# Altium PCB Benchtest_PCB.PcbDoc (part 3 of 3)
Units mil, origin at the board's own origin, x right, y up, seen from the top; angles counter-clockwise.
Board outline 6000 x 3920 mil, 4 copper layers (Top Layer, Power Plane, Ground Plane, Bottom Layer), stack 30.634 mil thick; 232 components, 162 nets, 1268 pads, 324 vias.
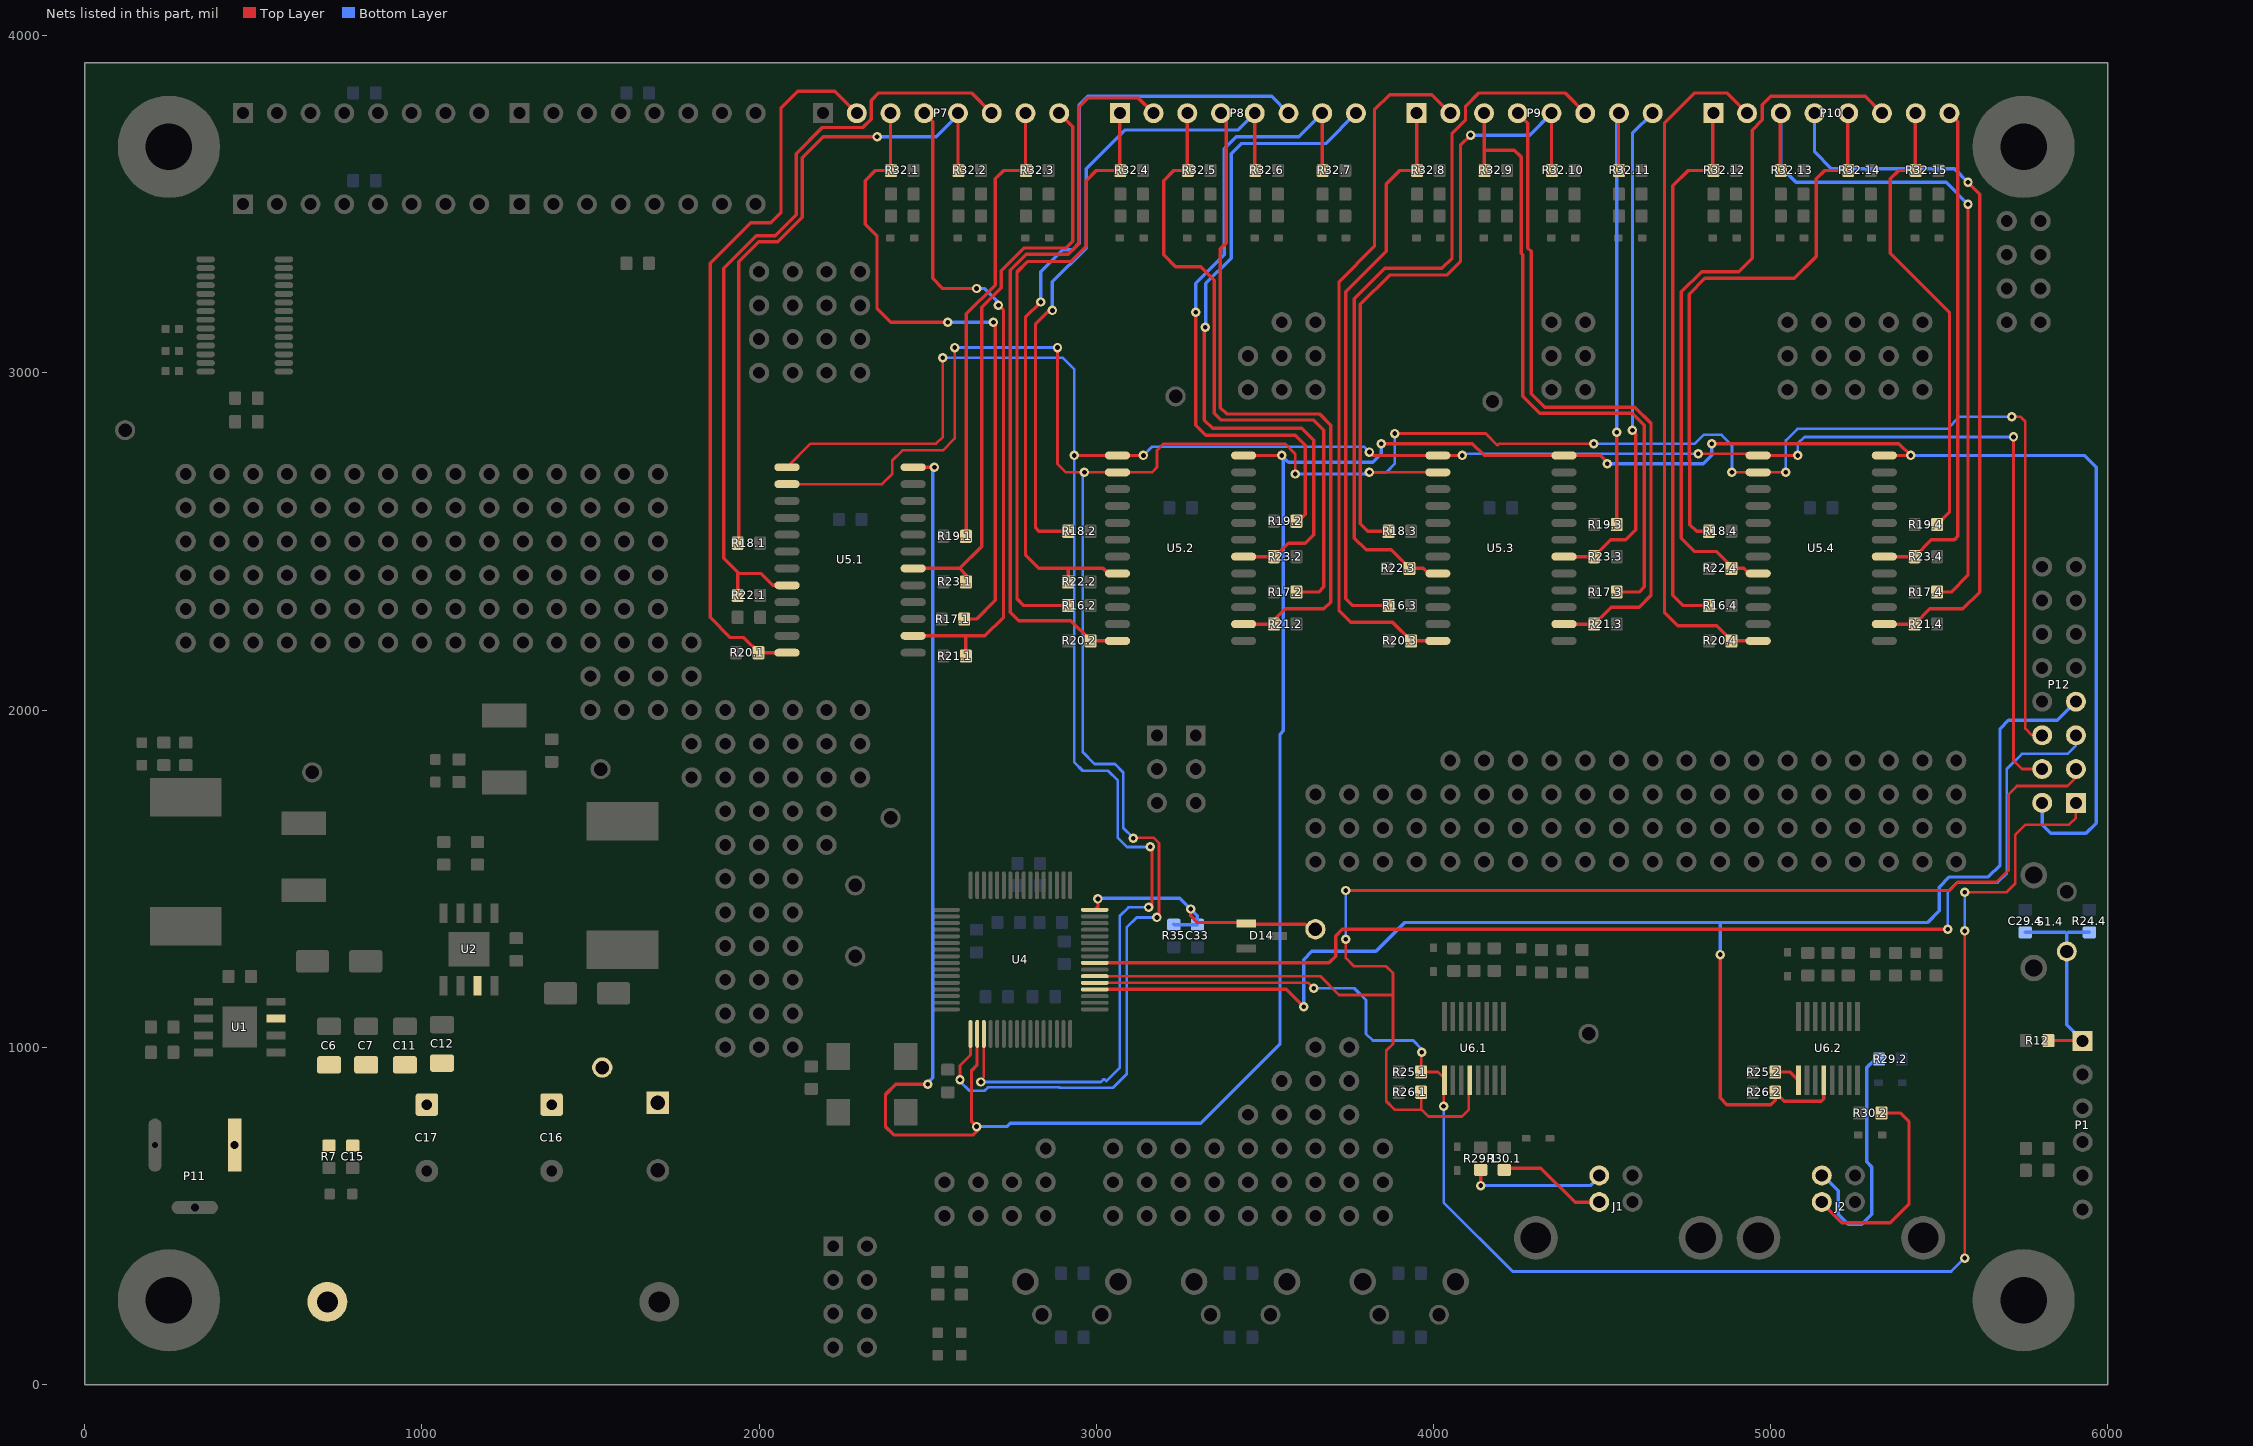
[diagram p5: the nets of this part, all layers, seen from the top]

## Via types
v1: diameter 28, hole 14, Top Layer to Bottom Layer, 324 vias

## Nets (pads, with @x,y where several pads share a name; then routed paths per layer and width w, separated by ;. In a path a pad name is that pad's centre, name@x,y a point inside that pad or via, vN(x,y) a via of type N, cw(c..) or ccw(c..) an arc to the next point about the centre after c; other vN are vias at no path point) (continued)
POTA2: P7.3 R17.1.1 R32.1.2 | length 1949.9
  Top Layer w10: P7.3@2390,3770 2390,3600 2345,3600 2315,3570 2315,3440 2350,3405 2350,3190 2390,3150 v1(2560,3150) ; R17.1.1@2613.46,2270 2645,2270 2700,2325 2700,3145 v1(2695,3150)
  Bottom Layer w10: v1(2560,3150) v1(2695,3150)
POTA3: P7.5 R18.1.1 R32.2.2 | length 1951.4
  Top Layer w10: R18.1.1@1936.54,2495 1940,2498.46 1940,3329.54 1999.46,3389 2055.37,3389 2128,3461.63 2128,3637.47 2190.53,3700 v1(2350,3700) ; R32.2.2@2590,3595 P7.5@2590,3770
  Bottom Layer w10: v1(2350,3700) 2525,3700 P7.5@2595,3770
POTA4: P7.7 R19.1.1 R32.3.2 | length 1366.2
  Top Layer w10: R19.1.1@2613.46,2515 2615,2516.54 2615,3175 2700,3260 2700,3575 2725,3600 2790,3600 P7.7@2790,3770
POTA5: P8.1 R16.2.1 R32.4.2 | length 1842.7
  Top Layer w10: R16.2.1@2916.54,2310 2785,2310 2765,2330 2765,3299 2796,3330 2925,3330 2970,3375 2970,3570 3000,3600 3070,3600 P8.1@3070,3770
POTA6: P8.3 R17.2.1 R32.5.2 | length 1947
  Top Layer w10: P8.3@3270,3770 3270,3600 3230,3600 3200,3570 3200,3350 3235,3315 3310,3315 3350,3275 3350,2880 3370,2860 3645,2860 3675,2830 3675,2365 3660,2350 R17.2.1@3593.46,2350
POTA7: P8.5 R18.2.1 R32.6.2 | length 1977
  Top Layer w10: v1(2870,3185) 2860,3185 2820,3145 2820,2540 2830,2530 R18.2.1@2916.54,2530 ; R32.6.2@3470,3595 P8.5@3470,3770
  Bottom Layer w10: v1(2870,3185) 2870,3270 2970,3370 2970,3605 3085,3720 3420,3720 P8.5@3470,3770
POTA8: P8.7 R19.2.1 R32.7.2 | length 1959.5
  Top Layer w10: v1(3295,3180) 3295,2845 3325,2815 3590,2815 3620,2785 3620,2580 3593.46,2553.46 R19.2.1@3593.46,2550 ; R32.7.2@3670,3595 P8.7@3670,3770
  Bottom Layer w10: v1(3295,3180) 3295,3265 3380,3350 3380,3665 3415,3700 3600,3700 P8.7@3670,3770
POTA9: P9.1 R16.3.1 R32.8.2 | length 1691.1
  Top Layer w10: R16.3.1@3866.54,2310 3760,2310 3740,2330 3740,3240 3860,3360 3860,3560 3900,3600 3950,3600 P9.1@3950,3770
POTA10: P9.3 R17.3.1 R32.9.2 | length 1968.3
  Top Layer w10: R32.9.2@4150,3595 4150,3660 ; P9.3@4150,3770 4150,3660 ; R17.3.1@4543.46,2350 4610,2350 4625,2365 4625,2845 4590,2880 4315,2880 4265,2930 4265,3350 4260,3355 4260,3640 4240,3660 4150,3660
POTA11: P9.5 R18.3.1 R32.10.2 | length 1922.6
  Top Layer w10: R18.3.1@3866.54,2530 3805,2530 3783,2552 3783,3203 3870,3290 4040,3290 4080,3330 4080,3675 v1(4110,3705) ; R32.10.2@4350,3595 P9.5@4350,3770
  Bottom Layer w10: v1(4110,3705) 4285,3705 P9.5@4350,3770
POTA12: P9.7 R19.3.1 R32.11.2 | length 1399.8
  Top Layer w10: R19.3.1@4543.46,2550 v1(4543.46,2823.46) ; R32.11.2@4548.46,3595 P9.7@4548.46,3770
  Bottom Layer w10: v1(4543.46,2823.46) 4543.46,3758.46 P9.7@4555,3770
POTA13: P10.1 R16.4.1 R32.12.2 | length 1642.6
  Top Layer w10: R16.4.1@4816.54,2310 4740,2310 4710,2340 4710,3555 4755,3600 R32.12.2@4828.46,3600 ; P10.1@4828.46,3770 R32.12.2@4828.46,3600 ; R32.12.2@4830,3600 R32.12.2@4828.46,3600
POTA14: P10.3 R17.4.1 R32.13.2 | length 2147.8
  Top Layer w10: R32.13.2@5028.46,3595 P10.3@5028.46,3770 ; R17.4.1@5493.46,2350 5535,2350 5585,2400 v1(5585,3500)
  Bottom Layer w10: P10.3@5030,3770 5030,3610 5075,3565 5520,3565 v1(5585,3500)
POTA15: P10.5 R18.4.1 R32.14.2 | length 1677.4
  Top Layer w10: R18.4.1@4816.54,2530 4780,2530 4760,2550 4760,2741.82 4758,2743.82 4758,3233 4805,3280 5070,3280 5135,3345 5135,3575 5160,3600 R32.14.2@5228.46,3600 ; P10.5@5228.46,3770 R32.14.2@5228.46,3600 ; R32.14.2@5230,3600 R32.14.2@5228.46,3600
POTA16: P10.7 R19.4.1 R32.15.2 | length 1375
  Top Layer w10: P10.7@5428.46,3770 R32.15.2@5428.46,3600 ; R32.15.2@5430,3600 R32.15.2@5428.46,3600 ; R19.4.1@5498.46,2555 R19.4.1@5493.46,2550 5530,2586.54 5530,3180 5355,3355 5355,3575 5380,3600 R32.15.2@5428.46,3600
POTB1: P7.2 R20.1.1 U5.1.24 | length 2178.3
  Top Layer w10: U5.1.24@2085,2170 U5.1.24@2082.99,2170 2000,2170 1955,2215 1915,2215 1855,2275 1855,3325 1975,3445 2035,3445 2065,3475 2065,3785 2115,3835 2225,3835 P7.2@2290,3770
POTB2: P7.4 R21.1.1 U5.1.2 | length 2009.8
  Top Layer w10: U5.1.2@2457.01,2220 2670,2220 2725,2275 2725,3185 v1(2710,3200) ; P7.4@2490,3770 2515,3745 2515,3280 2545,3250 v1(2645,3250) ; R21.1.1@2613.46,2161.54 2613.46,2215
  Bottom Layer w10: v1(2645,3250) 2670,3250 2710,3210 v1(2710,3200)
POTB3: P7.6 R22.1.1 U5.1.20 | length 2321.7
  Top Layer w10: R22.1.1@1936.54,2340 1936.54,2405 ; U5.1.20@2082.99,2370 2040,2370 2005,2405 1936.54,2405 ; P7.6@2690,3770 2630,3830 2355,3830 2332.53,3807.53 2332.53,3752.38 2307.62,3727.47 2187.47,3727.47 2110,3650 2110,3469.09 2047.91,3407 1992,3407 1895,3310 1895,2450 1936.54,2408.46 1936.54,2405
POTB4: P7.8 R23.1.1 U5.1.6 | length 1759.8
  Top Layer w10: U5.1.6@2457.01,2420 2595,2420 ; R23.1.1@2615,2385 2615,2400 2595,2420 ; P7.8@2890,3770 2930,3730 2930,3390 2910,3370 2785,3370 2718,3303 2718,3252.54 2660,3194.54 2660,2485 2595,2420
POTB5: P8.2 R20.2.1 U5.2.24 | length 2263.2
  Top Layer w10: U5.2.24@3065,2205 U5.2.24@3062.99,2205 R20.2.1@2983.46,2205 2983.46,2206.54 2925,2265 2770,2265 2745,2290 2745,3304.54 2792.46,3352 2917.46,3352 2948,3382.54 2948,3788 2975,3815 3125,3815 P8.2@3170,3770
POTB6: P8.4 R21.2.1 U5.2.2 | length 2049.9
  Top Layer w10: P8.4@3370,3770 3385,3755 3385,3385 3368,3368 3368,2897 3387,2878 3662,2878 3695,2845 3695,2320 3675,2300 3560,2300 3526.54,2266.54 R21.2.1@3526.54,2255 ; U5.2.2@3437.01,2255 R21.2.1@3525,2255
POTB7: P8.6 R22.2.1 U5.2.20 | length 2404.2
  Top Layer w10: v1(2835,3210) 2790,3165 2790,2460 2830,2420 3020,2420 3035,2405 U5.2.20@3062.99,2405 ; R22.2.1@2916.54,2380 2916.54,2418.46
  Bottom Layer w10: v1(2835,3210) 2835,3300 2900,3365 2930,3365 2950,3385 2950,3795 2975,3820 3520,3820 P8.6@3570,3770
POTB8: P8.8 R23.2.1 U5.2.6 | length 2107.6
  Top Layer w10: v1(3323,3135) 3320,3132 3320,2860 3344.77,2835.23 3609.77,2835.23 3645,2800 3645,2520 3620,2495 3570,2495 3530,2455 R23.2.1@3526.54,2455 U5.2.6@3437.01,2455
  Bottom Layer w10: v1(3323,3135) 3325,3137 3325,3265 3400.23,3340.23 3400.23,3650.23 3430,3680 3680,3680 P8.8@3770,3770
POTB9: P9.2 R20.3.1 U5.3.24 | length 2127.3
  Top Layer w10: R20.3.1@3933.46,2200 3938.46,2205 U5.3.24@4012.99,2205 ; R20.3.1@3933.46,2205 3878.46,2260 3755,2260 3720,2295 3720,3270 3825,3375 3825,3780 3870,3825 3995,3825 P9.2@4050,3770
POTB10: P9.4 R21.3.1 U5.3.2 | length 2045.6
  Top Layer w10: P9.4@4250,3770 4280,3740 4280,3370 4290,3360 4290,2938 4330,2898 4597.46,2898 4645,2850.46 4645,2340 4610,2305 4526.54,2305 R21.3.1@4476.54,2255 ; U5.3.2@4387.01,2255 4471.54,2255 R21.3.1@4476.54,2250
POTB11: P9.6 R22.3.1 U5.3.20 | length 2200.1
  Top Layer w10: R22.3.1@3928.46,2420 3928.46,2421.54 3875,2475 3800,2475 3765,2510 3765,3220 3855,3310 4025,3310 4055,3340 4055,3710 4095,3750 4095,3790 4135,3830 4390,3830 P9.6@4450,3770 ; R22.3.1@3933.46,2420 3970,2420 3985,2405 U5.3.20@4012.99,2405
POTB12: P9.8 R23.3.1 U5.3.6 | length 1513.1
  Top Layer w10: U5.3.6@4387.01,2455 4471.54,2455 R23.3.1@4476.54,2450 ; R23.3.1@4476.54,2455 4476.54,2456.54 4525,2505 4570,2505 4600,2535 4600,2820 v1(4590,2830)
  Bottom Layer w10: v1(4590,2830) 4590,3710 P9.8@4650,3770
POTB13: P10.2 R20.4.1 U5.4.24 | length 2073.3
  Top Layer w10: R20.4.1@4883.46,2200 4888.46,2205 U5.4.24@4962.99,2205 ; R20.4.1@4883.46,2205 4883.46,2206.54 4840,2250 4725,2250 4685,2290 4685,3740 4775,3830 4870,3830 P10.2@4930,3770
POTB14: P10.4 R21.4.1 U5.4.2 | length 2161.2
  Top Layer w10: U5.4.2@5337.01,2255 5421.54,2255 R21.4.1@5426.54,2250 ; R21.4.1@5426.54,2255 5471.54,2300 5570,2300 5620,2350 5620,3530 v1(5585,3565)
  Bottom Layer w10: P10.4@5130,3770 5130,3655 5180,3605 5545,3605 v1(5585,3565)
POTB15: P10.6 R22.4.1 U5.4.20 | length 2110.2
  Top Layer w10: U5.4.20@4962.99,2405 4935,2405 4920,2420 R22.4.1@4883.46,2420 4883.46,2426.54 4840,2470 4775,2470 4735,2510 4735,3240 4795,3300 4905,3300 4945,3340 4945,3720 4975,3750 4975,3795 5000,3820 5280,3820 P10.6@5330,3770
POTB16: P10.8 R23.4.1 U5.4.6 | length 1510.3
  Top Layer w10: U5.4.6@5337.01,2455 5421.54,2455 R23.4.1@5426.54,2450 ; R23.4.1@5426.54,2455 5476.54,2505 5545,2505 5555,2515 5555,3745 P10.8@5530,3770
SCLK: P12.14 U4.49 U5.1.14 U5.2.14 U5.3.14 U5.4.14 | length 8738.7
  Top Layer w8: U5.1.14@2080,2670 U5.1.14@2082.99,2670 2365,2670 2395,2700 2395,2740 2425,2770 2545,2770 2580,2805 v1(2580,3075) ; v1(2596,903.55) 2596,946 2627.36,977.36 U4.49@2627.36,1039.53 ; v1(2885,3075) 2885,2730 2910,2705 v1(2965,2705) U5.2.14@3062.99,2705 ; U5.2.14@3070,2705 3165,2705 3180,2720 3180,2770 3200,2790 3560,2790 3590,2760 v1(3590,2700) ; v1(3110,1620) 3111,1621 3170.77,1621 3186,1605.77 3186,1391 v1(3180,1385) ; v1(3810,2705) U5.3.14@4012.99,2705 ; v1(3885,2820) 4155,2820 4190,2785 4195,2790 v1(4475,2790) ; v1(4885,2705) U5.4.14@4960,2705 ; U5.4.14@4962.99,2705 v1(5045,2705) ; v1(5715,2870) 5740,2870 5755,2855 5755,1945 5775,1925 P12.14@5805,1925
  Bottom Layer w8: v1(2580,3075) v1(2885,3075) ; v1(2596,903.55) 2596,899 2623.94,871.06 2668.71,871.06 2678.71,881.06 2890.71,881.06 2891.77,880 3050,880 3090,920 3090,1355 3120,1385 v1(3180,1385) ; v1(2965,2705) 2960,2700 2960,1875 2995,1840 3055,1840 3080,1815 3080,1650 v1(3110,1620) ; v1(3590,2700) 3805,2700 v1(3810,2705) 3860,2705 3885,2730 v1(3885,2820) ; v1(4475,2790) 4775,2790 4801,2816 4854,2816 4885,2785 v1(4885,2705) ; v1(5045,2705) 5045,2800 5078.84,2833.84 5523.84,2833.84 5560,2870 v1(5715,2870)
SDI: P12.16 U4.50 U5.1.12 U5.2.12 U5.3.12 U5.4.12 | length 9527.1
  Top Layer w10: U5.1.12@2457.01,2720 v1(2520,2720) ; v1(2500,890) 2405,890 2375,860 2375,765 2400,740 2635,740 v1@2650,755 ; v1(2645,765) 2630,780 2630,930 2646.27,946.27 U4.50@2646.27,1035 ; U4.50@2647.05,1035 U4.50@2647.05,1039.53 ; U5.2.12@3437.01,2755 v1(3550,2755) ; v1(3845,2790) 4115,2790 4150,2755 U5.3.12@4387.01,2755 4495,2755 4515,2735 v1(4515,2730) ; v1(4825,2790) 5380,2790 v1(5415,2755) U5.4.12@5337.01,2755
  Bottom Layer w10: v1(2500,890) 2495,890 2515,910 2515,2715 v1(2520,2720) ; v1(2645,765) 2735,765 2745,775 3310,775 3545,1010 3545,1928.18 3555,1938.18 3555,2750 v1(3550,2755) 3570,2735 3820,2735 3845,2760 v1(3845,2790) ; v1(4515,2730) 4800,2730 4825,2755 v1(4825,2790) ; v1(5415,2755) 5930,2755 5965,2720 5965,1665 5935,1635 5830,1635 5805,1660 P12.16@5805,1720
SDO: P12.15 U4.51 U5.1.13 U5.2.13 U5.3.13 U5.4.13 | length 7958.6
  Top Layer w8: U5.1.13@2082.99,2720 2152.99,2790 2525,2790 2545,2810 v1(2545,3045) ; v1(2657.94,897.06) 2657.94,904.73 2658.21,905 2660,905 2666.73,911.73 U4.51@2666.73,1039.53 ; v1(2935,2755) U5.2.13@3062.99,2755 v1(3140,2755) ; v1(3155,1415) 3165,1415 3165,1590 v1(3160,1595) ; v1(3810,2765) 3820,2755 U5.3.13@4012.99,2755 ; U5.3.13@4015,2755 v1(4085,2755) ; v1(4785,2760) 4957.99,2760 U5.4.13@4962.99,2755 v1(5080,2755) ; v1(5720,2810) 5720,1850 5745,1825 P12.15@5805,1825
  Bottom Layer w8: v1(2545,3045) 2900,3045 2935,3010 v1(2935,2755) 2935,1845 2960,1820 3035,1820 3064,1791 3064,1621 3091,1594 3159,1594 v1(3160,1595) ; v1(2657.94,897.06) 3013.52,897.06 3021.46,905 3025,905 3030,900 3070,940 3070,1390 3095,1415 v1(3155,1415) ; v1(3140,2755) 3166,2781 3794,2781 v1(3810,2765) ; v1(4085,2755) 4090,2760 v1(4785,2760) ; v1(5080,2755) 5080,2790 5100,2810 v1(5720,2810)
U1_RX: P12.1 R25.1.1 U4.5 U6.1.1 | length 4897.9
  Top Layer w8: U4.5@2995.47,1191.1 3628.9,1191.1 v1(3645,1175) ; v1(3965,985) 3963.46,983.46 R25.1.1@3963.46,926.54 4013.46,926.54 U6.1.1@4032.5,907.5 ; v1(4030,825) U6.1.1@4030,900 ; v1(5575,375) v1(5575,1345) ; v1(5575,1460) 5700,1460 5725,1485 5725,1630 5755,1660 5885,1660 5905,1680 P12.1@5905,1725
  Bottom Layer w8: v1(3645,1175) 3765,1175 3800,1140 3800,1040 3820,1020 3940,1020 3965,995 v1(3965,985) ; v1(4030,825) 4030,540 4235,335 5535,335 v1(5575,375) ; v1(5575,1345) v1(5575,1460)
U1_TX: P12.2 R26.1.1 U4.6 U6.1.4 | length 4523.6
  Top Layer w8: U4.6@2995.47,1210.79 3664.21,1210.79 3720,1155 3880,1155 ; v1(3740,1320) 3740,1265 3765,1240 3860,1240 3880,1220 3880,1155 ; v1(3740,1465) 5530,1465 5555,1490 5670,1490 5705,1525 5705,1750 5730,1775 5880,1775 5905,1800 P12.2@5905,1825 ; R26.1.1@3963.46,866.54 3963.46,816.54 3965,815 ; U6.1.4@4105,900 4105,816 4084,795 3985,795 3965,815 ; 3880,1155 3880,1010 3860,990 3860,840 3885,815 3965,815
  Bottom Layer w8: v1(3740,1320) v1(3740,1465)
U2_RX: P12.3 U4.8 | length 3487.8
  Top Layer w10: U4.8@2995.47,1250.16 3690.16,1250.16 3710,1270 3710,1330 3730,1350 v1(5525,1350)
  Bottom Layer w8: v1(5525,1350) 5525,1460 5553,1488 5673,1488 5700,1515 5700,1825 5745,1870 5880,1870 5905,1895 P12.3@5905,1925
U2_TX: P12.4 R26.2.1 U4.4 U6.2.4 | length 4599.5
  Top Layer w10: U4.4@2995.47,1171.42 2996.06,1172 3563,1172 v1(3615,1120) ; v1(4850,1275) 4850,850 4870,830 5000,830 5013.46,843.46 R26.2.1@5013.46,866.54 5040,840 5150,840 5157.5,847.5 U6.2.4@5157.5,902.05
  Bottom Layer w10: v1(3615,1120) 3615,1260 3639.53,1284.53 3829.53,1284.53 3915,1370 4850,1370 ; v1(4850,1275) 4850,1370 ; P12.4@5905,2025 5850,1970 5705,1970 5680,1945 5680,1540 5645,1505 5530,1505 5500,1475 5500,1405 5465,1370 4850,1370
UART_TXD.2: R25.2.1 U6.2.1 | length 82.5
  Top Layer w10: R25.2.1@5013.46,926.54 5058.46,926.54 U6.2.1@5085,900
USB_D+.1: J1.3 R30.1.2 | length 323.6
  Top Layer w10: R30.1.2@4210,641.54 4318.46,641.54 4420,540 J1.3@4490,540 ; J1.3@4490,541.26 J1.3@4491.57,541.26
USB_D+.2: J2.3 R30.2.2 | length 644.5
  Top Layer w10: J2.3@5150,540 5210,480 5355,480 5410,535 5410,780 5385,805 R30.2.2@5328.46,805
USB_D-.1: J1.2 R29.1.2 | length 414
  Top Layer w10: v1(4140,590) R29.1.2@4140,636.54
  Bottom Layer w10: v1(4140,590) 4465,590 J1.2@4495,620
USB_D-.2: J2.2 R29.2.2 | length 746.6
  Bottom Layer w10: J2.2@5155,620 5200,575 5200,505 5230,475 5270,475 5300,505 5300,645 5285,660 5285,940 5310,965 R29.2.2@5321.54,965
V_IN+: C6.2 C7.2 C11.2 C12.2 C15.2 C16.1 C17.1 D5.1 R7.2 TP5.1 U1.7 U2.7
VPP/M\C\L\R\: C29.4.2 P1.1 R12.2 R24.4.1 S1.4.1 | length 631.7
  Top Layer w10: R12.2@5823.46,1020 P1.1@5925,1020
  Bottom Layer w10: C29.4.2@5754.96,1340.75 5873.46,1340.75 5878.03,1336.18 ; P1.1@5925,1019.21 5878.03,1066.18 S1.4.1@5878.03,1284.21 5878.03,1336.18 ; R24.4.1@5944.96,1340.75 5882.6,1340.75 5878.03,1336.18
VPS: F1.1 P11.1
VREF: C33.2 D14.1 R35.1 TP10.1 U4.16 | length 874.5
  Top Layer w10: U4.16@2995.47,1407.64 3005,1417.17 v1(3005,1440) ; v1(3280,1410) 3280,1390 3300,1370 D14.1@3450,1370 ; D14.1@3445,1365 3620,1365 3635,1350 TP10.1@3650,1350
  Bottom Layer w10: v1(3005,1440) 2999.94,1440 2997.94,1442 3248,1442 v1(3280,1410) 3300,1390 C33.2@3300,1363.46 3231.54,1363.46 R35.1@3230,1365
pads on no net: C1.0 C2.0 C3.0 C4.0 C5.0 C6.0 C7.0 C9.0 C10.0 C11.0 C12.0 C14.0 C15.0 C16.0 C17.0 C18.0 C19.0 C20.0 C21.0 C22.0 C23.0 C24.0 C25.0 C26.0 C27.0 C28.1.0 C28.2.0 C28.3.0 C28.4.0 C29.1.0 C29.2.0 C29.3.0 C29.4.0 C30.1.0 C30.2.0 C31.1.0 C31.2.0 C32.1.0 C32.2.0 C33.0 D1.0 D2.0 D3.0 D4.0 D6.0 D7.1.0 D7.2.0 D8.1.0 D8.2.0 D9.1.0 D9.2.0 D10.1.0 D10.2.0 D11.1.0 D11.2.0 D12.1.0 D12.2.0 D12.3.0 D12.4.0 D12.5.0 D12.6.0 D12.7.0 D12.8.0 D12.9.0 D12.10.0 D12.11.0 D12.12.0 D12.13.0 D12.14.0 D12.15.0 D13.1.0 D13.2.0 D14.3 P1.6 P2.8 R1.0 R2.0 R3.0 R4.0 R5.0 R6.0 R7.0 R8.0 R9.0 R10.0 R11.0 R12.0 R13.0 R14.0 R15.0 R16.1.0 R16.2.0 R16.3.0 R16.4.0 R17.1.0 R17.2.0 R17.3.0 R17.4.0 R18.1.0 R18.2.0 R18.3.0 R18.4.0 R19.1.0 R19.2.0 R19.3.0 R19.4.0 R20.1.0 R20.2.0 R20.3.0 R20.4.0 R21.1.0 R21.2.0 R21.3.0 R21.4.0 R22.1.0 R22.2.0 R22.3.0 R22.4.0 R23.1.0 R23.2.0 R23.3.0 R23.4.0 R24.1.0 R24.2.0 R24.3.0 R24.4.0 R25.1.0 R25.2.0 R26.1.0 R26.2.0 R27.1.0 R27.2.0 R28.1.0 R28.2.0 R29.1.0 R29.2.0 R30.1.0 R30.2.0 R31.1.0 R31.2.0 R31.3.0 R31.4.0 R31.5.0 R31.6.0 R31.7.0 R31.8.0 R31.9.0 R31.10.0 R31.11.0 R31.12.0 R31.13.0 R31.14.0 R31.15.0 R32.1.0 R32.2.0 R32.3.0 R32.4.0 R32.5.0 R32.6.0 R32.7.0 R32.8.0 R32.9.0 R32.10.0 R32.11.0 R32.12.0 R32.13.0 R32.14.0 R32.15.0 R33.1.0 R33.2.0 R33.3.0 R33.4.0 R33.5.0 R33.6.0 R33.7.0 R33.8.0 R33.9.0 R33.10.0 R33.11.0 R33.12.0 R33.13.0 R33.14.0 R33.15.0 R34.1.0 R34.2.0 R35.0 S1.1. S1.2. S1.3. S1.4. U1.2 U1.3 U1.5 U2.2 U2.3 U2.5 U4.33 U4.34 U4.46 U6.1.2 U6.1.6 U6.1.15 U6.1.16 U6.2.2 U6.2.6 U6.2.15 U6.2.16

## Polygon pours and split planes (outlines as drawn)
3V3 on Power Plane (split plane): 5979.9,20.1 20.1,20.1 20.1,3899.9 5979.9,3899.9
GND on Ground Plane (split plane): 5979.9,20.1 20.1,20.1 20.1,3899.9 5979.9,3899.9

## Other copper
Top Layer:
  region net GND: 900,1425 975,1350 900,1350
  region net 5V0: 255,2240 315,2240 340,2215 340,2155 265,2155 255,2145
  region net V_IN+: 1130,1000 1145,1015 1145,1000
  region net GND: 1075,1350 900,1350 865,1350 860,1345 860,1240 865,1235 1075,1235
  region net GND: 1110,1020 1130,1040 1130,1125 1110,1125
  region net V_IN+: 1265,1075 1490,1075 1525,1040 1685,1040 1725,1000 1265,1000
  region net V_IN+: 1160,1000 1180,1020 1180,1000
  region net 5V0: 575,3885 1400,3885 1445,3840 1445,3725 1425,3705 1250,3705 1215,3740 1215,3790 1190,3815 645,3815 625,3795 605,3815 575,3815
  region net 5V0: 560,3400 625,3465 625,3840 580,3885 475,3885 445,3855 415,3825 415,3475 385,3445 385,3400
  region net 5V0: 200,3325 275,3400 520,3400 520,3500 150,3500 50,3400 50,3325
  region net 5V0: 640,1900 425,1900 375,1950 125,1950 50,2025 50,3400 200,3400 200,2300 405,2095 565,2095 635,2025
  region net 5V0: 1115,1750 965,1750 940,1775 940,1960 805,2095 540,2095 540,1900 760,1900 810,1850 810,1680 840,1650 1100,1650 1120,1630
  region net GND: 1410,1890 1420,1900 1420,1955 1340,2035 1170,2035 1155,2020 1155,1920 1185,1890
  region net 5V0: 1140,1575 1115,1600 1115,1725 1105,1725 1085,1745 1085,1810 1095,1820 1150,1820 1180,1850 1340,1850 1370,1880 1595,1880 1740,1735 1740,1600 1715,1575
  region net GND: 760,1285 760,1315 675,1400 590,1400 570,1420 570,1515 580,1525 850,1525 900,1475 900,1325 925,1300
  region net NetC10_1: 1200,1155 1200,1210 1210,1220 1245,1220 1255,1230 1255,1275 1265,1285 1425,1285 1465,1325 1465,1345 1485,1365 1715,1365 1730,1350 1730,1225 1725,1220 1495,1220 1485,1210 1485,1125 1465,1105 1270,1105 1225,1150 1205,1150
  region net V_IN+: 1145,1210 1155,1220 1185,1220 1190,1215 1190,1150 1245,1095 1340,1000 1340,980 1145,980 1145,1145
  region net GND: 1080,1125 1095,1140 1095,1210 1065,1240 1065,1340 1075,1350 1205,1350 1215,1340 1215,1240 1205,1230 1150,1230 1130,1210 1130,1125
  region net GND: 1110,1020 1110,1125 975,1125 950,1150 880,1150 880,1020
  region net 3V3: 400,1625 725,1625 775,1675 775,1825 735,1865 415,1865 400,1865
  region net NetC5_1: 460,1250 435,1275 200,1275 175,1300 175,1425 200,1450 525,1450 550,1425 550,1325 555,1325 575,1305 575,1250
  region net 3V3: 200,1845 200,1810 115,1725 115,1660 150,1625 425,1625 450,1650 450,1835 420,1865 220,1865
  region net GND: 505,1130 520,1115 520,1070 535,1055 605,1055 615,1045 615,1020 605,1010 530,1010 510,990 410,990 395,1005 395,1120 405,1130
  region net GND: 680,1030 695,1015 700,1020 925,1020 950,1045 950,1275 925,1300 775,1300 760,1285 760,1205 740,1185 700,1185 680,1165
  region net NetC5_1: 460,1165 475,1150 520,1150 530,1140 530,1130 545,1115 630,1115 650,1135 650,1190 670,1210 730,1210 750,1230 750,1280 725,1305 480,1305 460,1285
  region net V_IN+: 895,1000 1725,1000 1775,950 1775,840 1710,775 895,775
  region net V_IN+: 660,1000 900,1000 950,950 950,880 895,825 700,825 660,865
  region net V_IN+: 690,685 835,685 875,725 1600,725 1625,750 1750,750 1775,775 1775,875 1750,900 710,900 690,880
  region net GND: 760,650 760,540 785,515 1515.14,525.14 1545,555 1545,640 1530,655 1515,670 1090,670 776.67,670
  region net NetD5_3: 1600,675 1650,725 1775,725 1825,675 1825,175 1775,125 1650,125 1600,175
  region net VPS: 350,625 400,575 425,550 425,125 450,100 825,100 850,125 850,325 800,375 625,375 575,425 575,800 525,850 400,850 350,800
  region net GND: 655,3110 670,3095 670,2825 660,2815 500,2815 485,2830 485,3095 500,3110
  region net 5V0: 1215,3740 1215,3465 1245,3435 1400,3435 1445,3480 1445,3740
  region net GND: 560,3330 675,3330 675,3375 580,3375 555,3350 555,3335
  region net GND: 675,3375 685,3365 685,3340 675,3330
  region net 5V0: 375,3500 415,3540 415,3500
  region net NetD6_A: 695,655 705,665 740,665 750,655 750,545 740,535 705,535 695,545
  region net V_IN+: 540,1065 530,1075 530,1095 540,1105 650,1105 665,1090 665,1025 690,1000 690,865 660,865 630,895 630,1050 615,1065
  region net NetR2_2: 240,1080 240,960 255,945 370,945 385,960 385,995 375,1005 310,1005 295,1020 295,1080 280,1095 255,1095
  region net NetC5_2: 385,1170 400,1185 440,1185 445,1190 445,1225 440,1230 320,1230 305,1215 305,1125 315,1115 375,1115 385,1125
  region net NetR5_2: 1045,1560 1050,1565 1185,1565 1190,1560 1190,1500 1160,1470 1110,1470 1085,1445 1085,1370 1075,1360 1055,1360 1045,1370
  region net NetC10_2: 1307.5,1315 1307.5,1422.5 1295,1435 1205,1435 1195,1425 1195,1375 1205,1365 1225,1365 1252.5,1337.5 1252.5,1315 1267.5,1300 1292.5,1300
Ground Plane (plane layer: these items are gaps in the copper):
  pour cut-out: 2190,1025 2190,755 2485,755 2485,1025
Power Plane (plane layer: these items are gaps in the copper):
  pour cut-out: 2190,1025 2485,1025 2485,755 2190,755

## Silkscreen, mask and mechanical layers (free items; w line width, h text height)
Top Overlay:
  region: 1560,700 1585,725 1610,700
  lines w8: 1565,720 1605,720 ; 1585,685 1585,700 ; 1585,720 1585,735
  lines w10: 670,3165 1920,3165 ; 845,3100 845,3230 ; 1090,3100 1090,3230 ; 1270,3100 1270,3230 ; 1450,3100 1450,3230 ; 1745,3100 1745,3230 ; 1870,585 2140,585 ; 1870,655 2140,655 ; 1870,725 2140,725 ; 2005,515 2005,790 ; 3380,1930 3380,1820 3440,1820 ; 3385,1930 3445,1930 ; 3440,1695 3380,1695 3380,1805 3440,1805 ; 5570,2620 5930,2620 ; 5570,2690 5930,2690 ; 5570,2760 5930,2760 ; 5570,2830 5930,2830 ; 5570,2900 5930,2900 ; 5570,2970 5930,2970 ; 5570,3040 5935,3040 ; 5745,2555 5745,3110 ; 665,3100 665,3230 1925,3230 1925,3100 665,3100 ; 1865,515 1865,795 2144.38,795 2144.38,515 1865,515 ; 5565,2550 5935,2550 5935,3110 5565,3110 5565,2550
  text "P3" at 695,3245 h32
  text "P5" at 1255,3245 h32
  text "5V0*2" at 680,3185 h32
  text "LED 0-3" at 860,3185 h32
  text "GND*2" at 1105,3185 h32
  text "5V0*2" at 1285,3185 h32
  text "LED 8-11" at 1465,3185 h32
  text "GND*2" at 1760,3185 h32
  text "5V0*2" at 680,3120 h32
  text "LED 4-7" at 860,3120 h32
  text "GND*2" at 1105,3120 h32
  text "5V0*2" at 1285,3120 h32
  text "LED 12-15" at 1465,3120 h32
  text "GND*2" at 1760,3120 h32
  text "P4" at 695,3055 h32
  text "P6" at 1255,3055 h32
  text "POT AB / 0-3" at 2360,3055 h40
  text "POT AB / 4-7" at 3020,3055 h40
  text "POT AB / 8-11" at 3900,3055 h40
  text "POT AB / 12-15" at 4740,3055 h40
  text "GND" at 5590,3055 h40
  text "GND" at 5770,3055 h40
  text "CS3" at 5590,2985 h40
  text "3V3" at 5770,2985 h40
  text "CS2" at 5590,2915 h40
  text "SCL" at 5770,2915 h40
  text "CS1" at 5590,2845 h40
  text "SDA" at 5770,2845 h40
  text "3V3" at 3195,2840 h32
  text "GND" at 4130,2825 h32
  text "CS0" at 5590,2775 h40
  text "U2TX" at 5770,2775 h40
  text "TESTBENCH SOLAR CELLS V1.1 / FREDERIC CHASSE / WINTER 2016" at 795,2760 h40
  text "5V0" at 80,2740 h32
  text "SCLK" at 5580,2705 h40
  text "U2RX" at 5770,2705 h40
  text "SDO" at 5585,2635 h40
  text "U1TX" at 5770,2635 h40
  text "SDI" at 5585,2565 h40
  text "U1RX" at 5770,2565 h40
  text "5V0" at 260,2125 h32
  text "3V3" at 360,2125 h32
  text "GND" at 460,2125 h32
  text "3V3" at 50,1890 h32
  text "ADC" at 3400,1855 h35
  text "5V0" at 915,1840 h32
  text "3V3" at 5600,1835 h32
  text "5V0" at 1590,1810 h32
  text "3V3" at 735,1800 h32
  text "3V3" at 5600,1735 h32
  text "PROG" at 3400,1730 h35
  text "GND" at 5600,1635 h32
  text "GND" at 2350,1590 h32
  text "GND" at 5600,1535 h32
  text "OSC" at 2240,1390 h32
  text "VREF" at 3600,1260 h32
  text "OSC_OUT" at 2180,1180 h32
  text "1" at 5950,1094.21 h60 r90
  text "V_IN" at 1480,1005 h32
  text "GND" at 4405,935 h40
  text "3V3" at 1880,740 h40
  text "GND" at 2020,740 h40
  text "DEBUG" at 4450,700 h60
  text "MATLAB" at 4895,695 h60
  text "5V0" at 2905,685 h32
  text "GP0" at 1880,670 h40
  text "GP3" at 2020,670 h40
  text "GP1" at 1895,600 h40
  text "GP2" at 2020,600 h40
  text "3V3" at 2910,585 h32
  text "5V0" at 1880,530 h40
  text "NC" at 2040,530 h40
  text "V_IN" at 600,500 h32
  text "GND" at 2910,485 h32
Bottom Overlay:
  lines w10: 1865,655 2135,655 ; 1870,585 2140,585 ; 1870,725 2140,725 ; 2004.38,515 2004.38,795 ; 5565,2620 5935,2620 ; 5565,2690 5935,2690 ; 5565,2760 5935,2760 ; 5565,2830 5935,2830 ; 5565,2900 5935,2900 ; 5565,2970 5935,2970 ; 5565,3040 5935,3040 ; 5745,2550 5745,3110 ; 1864.38,515 2144.38,515 2144.38,795 1864.38,795 1864.38,515 ; 5565,2550 5935,2550 5935,3110 5565,3110 5565,2550
  text "GND" at 5695,3055 h40
  text "GND" at 5875,3055 h40
  text "CS3" at 5695,2985 h40
  text "3V3" at 5875,2985 h40
  text "CS2" at 5695,2915 h40
  text "SCL" at 5875,2915 h40
  text "CS1" at 5680,2845 h40
  text "SDA" at 5875,2845 h40
  text "CS0" at 5695,2775 h40
  text "U2TX" at 5915,2775 h40
  text "SCLK" at 5730,2705 h40
  text "U2RX" at 5915,2705 h40
  text "SDO" at 5690,2635 h40
  text "U1TX" at 5910,2635 h40
  text "SDI" at 5685,2565 h40
  text "U1RX" at 5910,2565 h40
  text "5V0" at 340,2125 h32
  text "3V3" at 440,2125 h32
  text "GND" at 540,2125 h32
  text "3V3" at 5680,1835 h32
  text "3V3" at 5680,1735 h32
  text "GND" at 5680,1635 h32
  text "GND" at 5680,1535 h32
  text "3V3" at 1990,740 h40
  text "GND" at 2130,740 h40
  text "5V0" at 2985,685 h32
  text "GP0" at 1990,670 h40
  text "GP3" at 2130,670 h40
  text "GP1" at 1985,600 h40
  text "GP2" at 2130,600 h40
  text "3V3" at 2990,585 h32
  text "5V0" at 1990,530 h40
  text "NC" at 2105,530 h40
  text "GND" at 2990,485 h32
  text "TESTBENCH SOLAR CELLS V1.1 / FREDERIC CHASSE / WINTER 2016" at 5365,70 h40
Mechanical 1:
  drawing of 690 lines, arcs and shapes, not listed
  text "Layer" at 167.5,9334.38 h60
  text "Name" at 577.41,9334.38 h60
  text "Material" at 1507.16,9334.38 h60
  text "Thickness" at 2366.92,9334.38 h60
  text "Constant" at 3016.76,9334.38 h60
  text "Board Layer Stack" at 3586.62,9334.38 h60
  text "Board Layer Stack" at 4706.3,9334.38 h60
  text "1" at 167.5,9214.38 h60
  text "Top Overlay" at 577.41,9214.38 h60
  text "2" at 167.5,9094.38 h60
  text "Top Solder" at 577.41,9094.38 h60
  text "Solder Resist" at 1507.16,9094.38 h60
  text "0.40mil" at 2366.92,9094.38 h60
  text "3.5" at 3016.76,9094.38 h60
  text "3" at 167.5,8974.38 h60
  text "Top Layer" at 577.41,8974.38 h60
  text "Copper" at 1507.16,8974.38 h60
  text "1.40mil" at 2366.92,8974.38 h60
  text "4" at 167.5,8854.38 h60
  text "Dielectric 1" at 577.41,8854.38 h60
  text "FR-4" at 1507.16,8854.38 h60
  text "10.00mil" at 2366.92,8854.38 h60
  text "4.2" at 3016.76,8854.38 h60
  text "5" at 167.5,8734.38 h60
  text "Power Plane" at 577.41,8734.38 h60
  text "Copper" at 1507.16,8734.38 h60
  text "1.42mil" at 2366.92,8734.38 h60
  text "6" at 167.5,8614.38 h60
  text "Dielectric 2" at 577.41,8614.38 h60
  text "10.00mil" at 2366.92,8614.38 h60
  text "4.2" at 3016.76,8614.38 h60
  text "7" at 167.5,8494.38 h60
  text "Ground Plane" at 577.41,8494.38 h60
  text "Copper" at 1507.16,8494.38 h60
  text "1.42mil" at 2366.92,8494.38 h60
  text "8" at 167.5,8374.38 h60
  text "Dielectric 3" at 577.41,8374.38 h60
  text "5.00mil" at 2366.92,8374.38 h60
  text "4.2" at 3016.76,8374.38 h60
  text "9" at 167.5,8254.38 h60
  text "Bottom Layer" at 577.41,8254.38 h60
  text "Copper" at 1507.16,8254.38 h60
  text "1.40mil" at 2366.92,8254.38 h60
  text "10" at 167.5,8134.38 h60
  text "Bottom Solder" at 577.41,8134.38 h60
  text "Solder Resist" at 1507.16,8134.38 h60
  text "0.40mil" at 2366.92,8134.38 h60
  text "3.5" at 3016.76,8134.38 h60
  text "11" at 167.5,8014.38 h60
  text "Bottom Overlay" at 577.41,8014.38 h60
Drill Drawing:
  circle w10: c7120.62,3512.27 r20
  circle w10: c7120.62,3512.27 r33.33
  circle w10: c7120.62,2162.28 r33.33
  lines w6: 0,0 6000,0 6000,3920 0,3920 0,0
  lines w10: 7087.29,1978.94 7153.96,1978.94 7153.96,2045.61 7087.29,2045.61 7087.29,1978.94 ; 7087.29,2345.61 7153.96,2345.61 7120.62,2278.94 7087.29,2345.61 ; 7087.29,2445.61 7103.96,2445.61 7120.62,2428.94 7137.29,2445.61 7153.96,2445.61 7137.29,2462.28 7153.96,2478.94 7137.29,2478.94 7120.62,2495.61 7103.96,2478.94 7087.29,2478.94 7103.96,2462.28 7087.29,2445.61 ; 7087.29,2612.28 7120.62,2578.94 7153.96,2612.28 7120.62,2645.61 7087.29,2612.28 ; 7087.29,2745.61 7103.96,2745.61 7120.62,2728.94 7137.29,2745.61 7153.96,2745.61 7137.29,2762.28 7153.96,2778.94 7137.29,2778.94 7120.62,2795.61 7103.96,2778.94 7087.29,2778.94 7103.96,2762.28 7087.29,2745.61 ; 7087.29,2878.94 7153.96,2878.94 7153.96,2945.61 7087.29,2945.61 7087.29,2878.94 ; 7087.29,3095.61 7153.96,3095.61 7120.62,3028.94 7087.29,3095.61 ; 7087.29,3178.94 7087.29,3195.61 7103.96,3212.27 7087.29,3228.94 7087.29,3245.61 7103.96,3245.61 7120.62,3228.94 7137.29,3245.61 7153.96,3245.61 7153.96,3228.94 7137.29,3212.27 7153.96,3195.61 7153.96,3178.94 7137.29,3178.94 7120.62,3195.61 7103.96,3178.94 7087.29,3178.94 ; 7087.29,3345.61 7103.96,3345.61 7103.96,3328.94 7137.29,3328.94 7137.29,3345.61 7153.96,3345.61 7153.96,3378.94 7137.29,3378.94 7137.29,3395.61 7103.96,3395.61 7103.96,3378.94 7087.29,3378.94 7087.29,3345.61 ; 7100.62,2332.28 7140.62,2332.28 7120.62,2292.28 7100.62,2332.28 ; 7100.62,2452.28 7110.62,2452.28 7120.62,2442.28 7130.62,2452.28 7140.62,2452.28 7130.62,2462.28 7140.62,2472.28 7130.62,2472.28 7120.62,2482.28 7110.62,2472.28 7100.62,2472.28 7110.62,2462.28 7100.62,2452.28 ; 7100.62,2892.28 7140.62,2892.28 7140.62,2932.28 7100.62,2932.28 7100.62,2892.28
  lines w15: 7027.5,1633.94 19328.04,1633.94 ; 7027.5,3883.94 19328.04,3883.94 ; 7578.38,1483.94 7578.38,4033.94 ; 8178.22,1483.94 8178.22,4033.94 ; 9327.88,1483.94 9327.88,4033.94 ; 9833.76,1483.94 9833.76,4033.94 ; 10567.56,1483.94 10567.56,4033.94 ; 12067.11,1483.94 12067.11,4033.94 ; 12656.96,1483.94 12656.96,4033.94 ; 13402.76,1483.94 13402.76,4033.94 ; 14612.4,1483.94 14612.4,4033.94 ; 15466.16,1483.94 15466.16,4033.94 ; 16799.77,1483.94 16799.77,4033.94 ; 18133.38,1483.94 18133.38,4033.94 ; 7027.5,1483.94 19328.04,1483.94 19328.04,4033.94 7027.5,4033.94 7027.5,1483.94
  text "Symbol" at 7117.5,3928.94 h72
  text "Count" at 7623.38,3928.94 h72
  text "Hole Size" at 8223.22,3928.94 h72
  text "Plated" at 9372.88,3928.94 h72
  text "Hole Type" at 9878.76,3928.94 h72
  text "Drill Layer Pair" at 10612.56,3928.94 h72
  text "Via/Pad" at 12112.11,3928.94 h72
  text "Pad Shape" at 12701.96,3928.94 h72
  text "Template" at 13447.76,3928.94 h72
  text "Description" at 14657.4,3928.94 h72
  text "Hole Tolerance (+)" at 15511.16,3928.94 h72
  text "Hole Tolerance (-)" at 16844.77,3928.94 h72
  text "Hole Length" at 18178.38,3928.94 h72
  text "1" at 7623.38,3778.94 h60
  text "17.72mil (0.450mm)" at 8223.22,3778.94 h60
  text "PTH" at 9372.88,3778.94 h60
  text "Rectangle" at 9878.76,3778.94 h60
  text "Top Layer - Bottom Layer" at 10612.56,3778.94 h60
  text "Pad" at 12112.11,3778.94 h60
  text "Rounded" at 12701.96,3778.94 h60
  text "r100_400h45_300r100" at 13447.76,3778.94 h60
  text "118.11mil (3.000mm)" at 18178.38,3778.94 h60
  text "C" at 7088.41,3768.95 h66.67
  text "1" at 7623.38,3628.94 h60
  text "23.62mil (0.600mm)" at 8223.22,3628.94 h60
  text "PTH" at 9372.88,3628.94 h60
  text "Rectangle" at 9878.76,3628.94 h60
  text "Top Layer - Bottom Layer" at 10612.56,3628.94 h60
  text "Pad" at 12112.11,3628.94 h60
  text "Rounded" at 12701.96,3628.94 h60
  text "r350_100h60_270r100" at 13447.76,3628.94 h60
  text "106.30mil (2.700mm)" at 18178.38,3628.94 h60
  text "D" at 7088.41,3618.95 h66.67
  text "1" at 7623.38,3478.94 h60
  text "23.62mil (0.600mm)" at 8223.22,3478.94 h60
  text "PTH" at 9372.88,3478.94 h60
  text "Rectangle" at 9878.76,3478.94 h60
  text "Top Layer - Bottom Layer" at 10612.56,3478.94 h60
  text "Pad" at 12112.11,3478.94 h60
  text "Rectangle" at 12701.96,3478.94 h60
  text "r100_400h60_320" at 13447.76,3478.94 h60
  text "125.98mil (3.200mm)" at 18178.38,3478.94 h60
  text "2" at 7623.38,3328.94 h60
  text "43.31mil (1.100mm)" at 8223.22,3328.94 h60
  text "PTH" at 9372.88,3328.94 h60
  text "Round" at 9878.76,3328.94 h60
  text "Top Layer - Bottom Layer" at 10612.56,3328.94 h60
  text "Pad" at 12112.11,3328.94 h60
  text "(Mixed)" at 12701.96,3328.94 h60
  text "(Mixed)" at 13447.76,3328.94 h60
  text "-" at 18178.38,3328.94 h60
  text "2" at 7623.38,3178.94 h60
  text "62.99mil (1.600mm)" at 8223.22,3178.94 h60
  text "PTH" at 9372.88,3178.94 h60
  text "Round" at 9878.76,3178.94 h60
  text "Top Layer - Bottom Layer" at 10612.56,3178.94 h60
  text "Pad" at 12112.11,3178.94 h60
  text "Rounded" at 12701.96,3178.94 h60
  text "c300h160" at 13447.76,3178.94 h60
  text "-" at 18178.38,3178.94 h60
  text "4" at 7623.38,3028.94 h60
  text "31.50mil (0.800mm)" at 8223.22,3028.94 h60
  text "PTH" at 9372.88,3028.94 h60
  text "Round" at 9878.76,3028.94 h60
  text "Top Layer - Bottom Layer" at 10612.56,3028.94 h60
  text "Pad" at 12112.11,3028.94 h60
  text "(Mixed)" at 12701.96,3028.94 h60
  text "(Mixed)" at 13447.76,3028.94 h60
  text "-" at 18178.38,3028.94 h60
  text "4" at 7623.38,2878.94 h60
  text "90.55mil (2.300mm)" at 8223.22,2878.94 h60
  text "PTH" at 9372.88,2878.94 h60
  text "Round" at 9878.76,2878.94 h60
  text "Top Layer - Bottom Layer" at 10612.56,2878.94 h60
  text "Pad" at 12112.11,2878.94 h60
  text "Rounded" at 12701.96,2878.94 h60
  text "c330h230" at 13447.76,2878.94 h60
  text "-" at 18178.38,2878.94 h60
  text "4" at 7623.38,2728.94 h60
  text "137.80mil (3.500mm)" at 8223.22,2728.94 h60
  text "PTH" at 9372.88,2728.94 h60
  text "Round" at 9878.76,2728.94 h60
  text "Top Layer - Bottom Layer" at 10612.56,2728.94 h60
  text "Pad" at 12112.11,2728.94 h60
  text "Rounded" at 12701.96,2728.94 h60
  text "c770h350" at 13447.76,2728.94 h60
  text "-" at 18178.38,2728.94 h60
  text "8" at 7623.38,2578.94 h60
  text "36.22mil (0.920mm)" at 8223.22,2578.94 h60
  text "PTH" at 9372.88,2578.94 h60
  text "Round" at 9878.76,2578.94 h60
  text "Top Layer - Bottom Layer" at 10612.56,2578.94 h60
  text "Pad" at 12112.11,2578.94 h60
  text "Rounded" at 12701.96,2578.94 h60
  text "c150h92" at 13447.76,2578.94 h60
  text "-" at 18178.38,2578.94 h60
  text "8" at 7623.38,2428.94 h60
  text "38.98mil (0.990mm)" at 8223.22,2428.94 h60
  text "PTH" at 9372.88,2428.94 h60
  text "Round" at 9878.76,2428.94 h60
  text "Top Layer - Bottom Layer" at 10612.56,2428.94 h60
  text "Pad" at 12112.11,2428.94 h60
  text "Rounded" at 12701.96,2428.94 h60
  text "c150h99" at 13447.76,2428.94 h60
  text "-" at 18178.38,2428.94 h60
  text "8" at 7623.38,2278.94 h60
  text "51.18mil (1.300mm)" at 8223.22,2278.94 h60
  text "PTH" at 9372.88,2278.94 h60
  text "Round" at 9878.76,2278.94 h60
  text "Top Layer - Bottom Layer" at 10612.56,2278.94 h60
  text "Pad" at 12112.11,2278.94 h60
  text "Rounded" at 12701.96,2278.94 h60
  text "c200h130" at 13447.76,2278.94 h60
  text "-" at 18178.38,2278.94 h60
  text "11" at 7623.38,2128.94 h60
  text "40.00mil (1.016mm)" at 8223.22,2128.94 h60
  text "PTH" at 9372.88,2128.94 h60
  text "Round" at 9878.76,2128.94 h60
  text "Top Layer - Bottom Layer" at 10612.56,2128.94 h60
  text "Pad" at 12112.11,2128.94 h60
  text "Rounded" at 12701.96,2128.94 h60
  text "c152h102" at 13447.76,2128.94 h60
  text "-" at 18178.38,2128.94 h60
  text "100" at 7623.38,1978.94 h60
  text "35.43mil (0.900mm)" at 8223.22,1978.94 h60
  text "PTH" at 9372.88,1978.94 h60
  text "Round" at 9878.76,1978.94 h60
  text "Top Layer - Bottom Layer" at 10612.56,1978.94 h60
  text "Pad" at 12112.11,1978.94 h60
  text "(Mixed)" at 12701.96,1978.94 h60
  text "(Mixed)" at 13447.76,1978.94 h60
  text "-" at 18178.38,1978.94 h60
  text "316" at 7623.38,1828.94 h60
  text "35.00mil (0.889mm)" at 8223.22,1828.94 h60
  text "PTH" at 9372.88,1828.94 h60
  text "Round" at 9878.76,1828.94 h60
  text "Top Layer - Bottom Layer" at 10612.56,1828.94 h60
  text "Pad" at 12112.11,1828.94 h60
  text "Rounded" at 12701.96,1828.94 h60
  text "c152h89" at 13447.76,1828.94 h60
  text "-" at 18178.38,1828.94 h60
  text "A" at 7088.41,1818.95 h66.67
  text "324" at 7623.38,1678.94 h60
  text "14.00mil (0.356mm)" at 8223.22,1678.94 h60
  text "PTH" at 9372.88,1678.94 h60
  text "Round" at 9878.76,1678.94 h60
  text "Top Layer - Bottom Layer" at 10612.56,1678.94 h60
  text "Via" at 12112.11,1678.94 h60
  text "Rounded" at 12701.96,1678.94 h60
  text "v71h36" at 13447.76,1678.94 h60
  text "-" at 18178.38,1678.94 h60
  text "B" at 7088.41,1668.95 h66.67
  text "794 Total" at 7623.38,1528.94 h60
  text "Slot definitions :" at 7117.5,1383.97 h60
  text "Routed Path Length" at 8150.19,1383.97 h60
  text "= Calculated from tool start centre position to tool end centre position." at 9252.86,1383.97 h60
  text "Hole Length" at 8150.19,1283.99 h60
  text "= Routed Path Length + Tool Size = Slot length as defined in the PCB layout" at 8842.99,1283.99 h60

## Dimensions
0,0 to 0,3920 on Mechanical 1
0,0 to 6000,0 on Mechanical 1